# Altium PCB PPG_board.PcbDoc (continued)
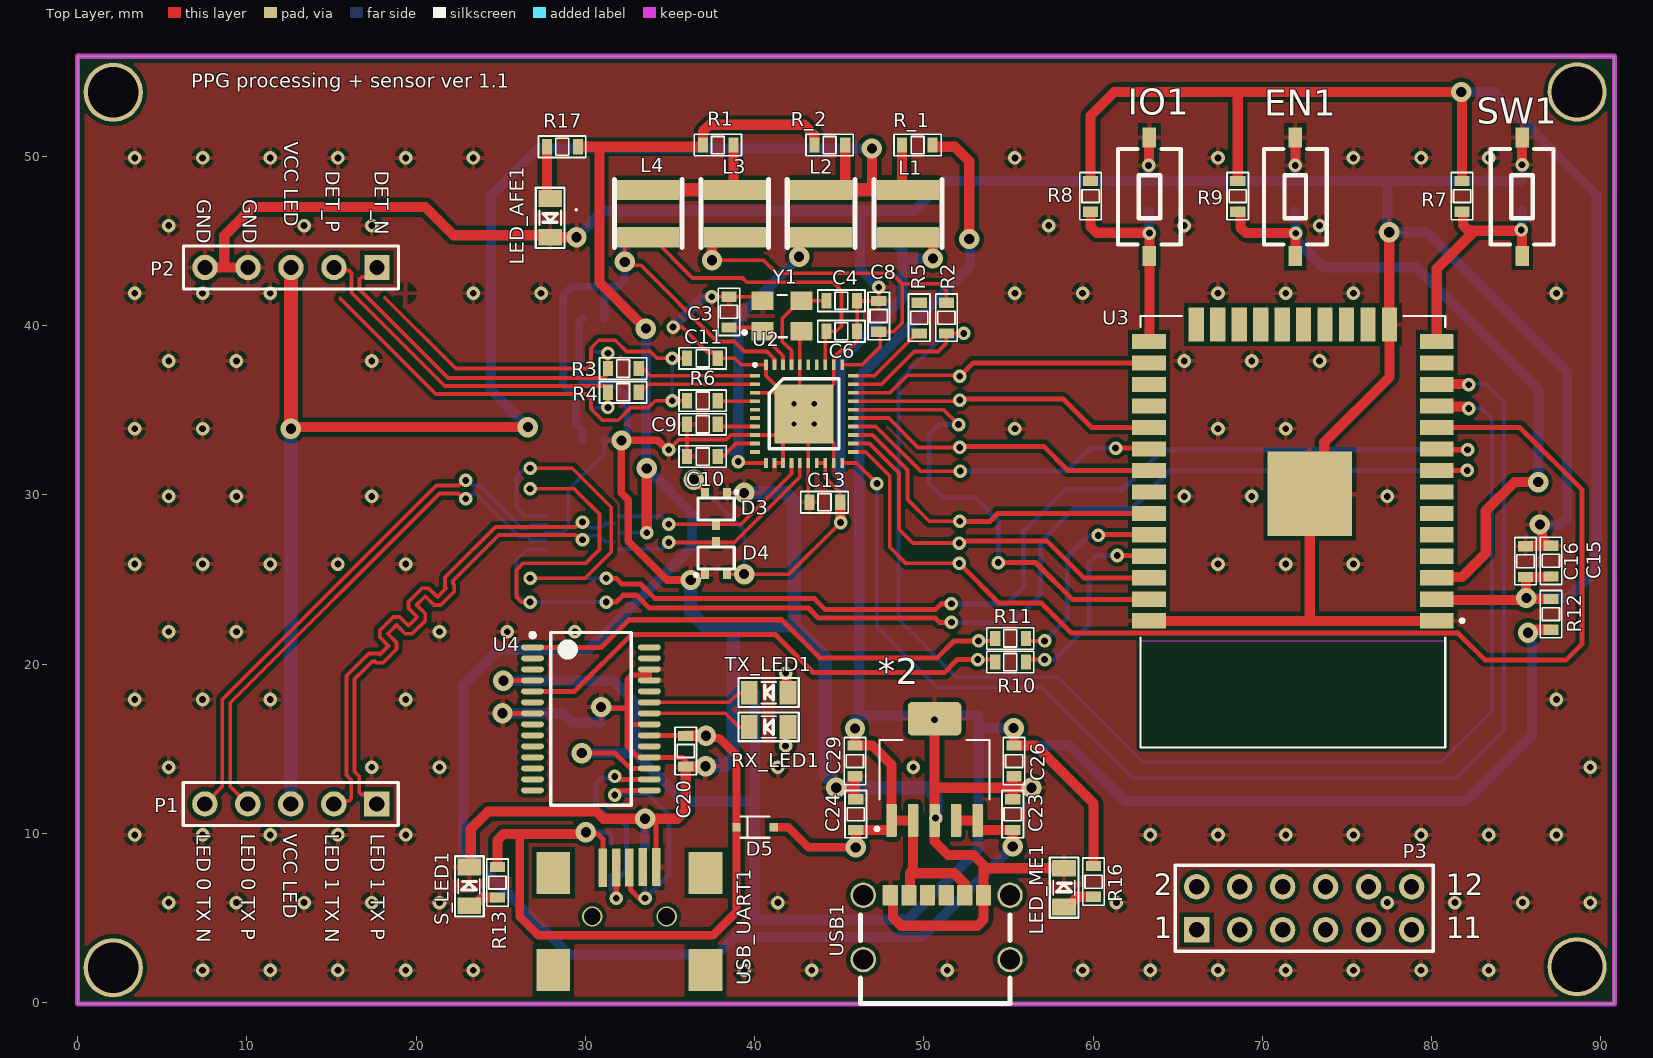
[diagram p0: Top Layer view]
## Part data
*2 *3: library part TPS7A4501
C1 C2 C3 C4 C5 C6 C7 C8 C9 C10 C11 C12 C13 C14 C15 C16 C17 C18 C19 C20 C21 C22 C23 C24 C25 C26 C27 C28 C29: "Capacitor", LatestRevisionDate=17-Jul-2002, LatestRevisionNote="Re-released for DXP Platform.", PackageDescription="Radial Cap, Thru-Hole; 2 Leads; 0.3 in Pin Spacing", PackageReference=RAD-0.3, Published=8-Jun-2000, Publisher="Altium Limited"
D5: library part "D Schottky", "Schottky Diode", Code_JEDEC=DO-214-AA, LatestRevisionDate=17-Jul-2002, LatestRevisionNote="Re-released for DXP Platform.", PackageDescription="DO-214-AA/SMB; 2 C-Bend Leads; Body 5.3 x 3.6 mm, inc. leads (LxW)", PackageReference=SMB, Published=8-Jun-2000, Publisher="Altium Limited"
EN1 IO1 SW1: library part SW-PB, "Switch", LatestRevisionDate=17-Jul-2002, LatestRevisionNote="Re-released for DXP Platform.", PackageDescription="Switch; 2 Leads", PackageReference=SPST-2, Published=24-Mar-1999, Publisher="Altium Limited"
L1 L2 L3 L4: library part Inductor, "Inductor", Code_IEC=1005, Code_JEITA=0402, LatestRevisionDate=29-May-2009, LatestRevisionNote="IPC-7351 Footprint Added.", PackageDescription="Chip Inductor", PackageReference=0402-A, Published=8-Jun-2000, Publisher="Altium Limited"
LED_AFE1 LED_ME1 RX_LED1 S_LED1 TX_LED1: library part "LED SMD"
P1 P2: "Header, 5-Pin", LatestRevisionDate=17-Jul-2002, LatestRevisionNote="Re-released for DXP Platform.", Publisher="Altium Limited"
P3: "Header, 6-Pin, Dual row", LatestRevisionDate=17-Jul-2002, LatestRevisionNote="Re-released for DXP Platform.", Publisher="Altium Limited"
R1 R2 R3 R4 R5 R6 R7 R8 R9 R10 R11 R12 R13 R14 R15 R16 R17 R_1 R_2: "Resistor", LatestRevisionDate=17-Jul-2002, LatestRevisionNote="Re-released for DXP Platform.", PackageDescription="Axial Device, Thru-Hole; 2 Leads; 0.3 in Pin Spacing", PackageReference=AXIAL-0.3, Published=8-Jun-2000, Publisher="Altium Limited"
U3: "Bluetooth, WiFi 802.11b/g/n, Bluetooth v4.2 + EDR, Class 1, 2 and 3 Transceiver Module 2.4GHz ~ 2.5GHz Integrated, Chip Surface Mount", Package="Module Espressif Systems", Availability=Unavailable, MF="Espressif Systems", MP="ESP32-WROOM-32 _8MB_", Price=None, SnapEDA_Link=https://www.snapeda.com/parts/ESP32-WROOM-32%20%288MB%29/Espressif%20Systems/view-part/4301170/?ref=snap
U4: "USB TO UART INTERFACE", MANUFACTURER="FTDI, Future Technology Devices International Ltd", Manufacturer Part Number="FT232RL R", Package / Case=28-SSOP, Supplier Part Number=768-1007-2-ND, Voltage="3.3 V ~ 5.25 V", Category="Integrated Circuits (ICs)", Features="Serial Interface", FIFO's="256 Byte", Number of Channels=8, Packaging="Tape & Reel (TR)", RoHS="RoHS Compliant", Supplier=Digi-Key, Supplier 1=Digi-Key, Supplier Part Number 1=768-1007-2-ND
USB1: library part USB-typeC
USB_UART1: library part USB_M
Y1: "8MHz Â±20ppm Crystal 12pF 400 Ohms 4-SMD, No Lead", Package="SMD-4 ECS International", Availability=Warning, BuyPart=https://www.snapeda.com/parts/ECS-80-12-33-JGN-TR/ECS%20Inc./view-part/4477300/?ref=eda, MF="ECS Inc.", Mouser-Purchase-URL=https://snapeda.com/shop?store=Mouser&id=4477300, MP=ECS-80-12-33-JGN-TR, Price=None, SnapEDA_Link=https://www.snapeda.com/parts/ECS-80-12-33-JGN-TR/ECS%20Inc./view-part/4477300/?ref=snap

## Free pads (board coordinates)
  round 3.5 hole 3 mask+0.07: 2(2.1,2.05) 2(2.1,53.786) 2(88.6,2.114) 2(88.6,53.8)

## Via types
v1: diameter 0.8, hole 0.4, Top Layer to Bottom Layer, 168 vias
v2: diameter 1.2, hole 0.6, Top Layer to Bottom Layer, 35 vias
v3: diameter 0.6, hole 0.3, Top Layer to Bottom Layer, 4 vias
v4: diameter 1.2, hole 1, Top Layer to Bottom Layer, 2 vias
v5: diameter 1.2, hole 0.6, Top Layer to Bottom Layer, tented top, 1 vias

## Nets (pads, with @x,y where several pads share a name; then routed paths per layer and width w, separated by ;. In a path a pad name is that pad's centre, name@x,y a point inside that pad or via, vN(x,y) a via of type N, cw(c..) or ccw(c..) an arc to the next point about the centre after c; other vN are vias at no path point)
3.3V_AFE: *2.4 *2.5 C22.2 C23.2 R1.1 R17.2 R_2.1 U1.8 | length 117.3
  Top Layer w0.6: R17.2 30.83,50.564 ; v2(33.573,39.822) 30.83,42.564 30.83,50.564 ; v1(33.63,27.764) v2(33.63,31.564) ; R_2.1 43.541,51.253 42.93,51.864 37.33,51.864 36.941,51.475 R1.1 36.941,50.564 30.83,50.564 ; *2.4 *2.5 53.17,10.21 53.18,10.2 C23.2 v2(55.249,9.221)
  Bottom Layer w0.22: U1.8 v1(33.63,27.764)
  Bottom Layer w0.6: v2(33.573,39.822) 33.573,31.622 v2(33.63,31.564) 36.305,28.889 36.305,26.939 30.205,20.839 24.88,20.839 22.78,18.739 22.78,9.089 29.03,2.839 37.805,2.839 38.83,3.864 49.892,3.864 v2(55.249,9.221) C22.2
3.3V_ME: *3.4 *3.5 C21.2 C26.2 C27.2 R12.2 R14.2 R15.2 R16.2 U4.4 U4.17 | length 121.3
  Top Layer w0.3: v2(25.155,19.014) 25.171,19.03 26.871,19.03 U4.4 ; v2(29.782,14.738) 31.757,14.738 32.655,13.839 U4.17
  Top Layer w0.6: v2(55.305,16.215) 55.318,16.202 55.318,15.191 C26.2 56.604,15.191 60.03,11.765 R16.2 ; v2(85.7,21.85) 85.862,21.85 86.036,22.023 R12.2
  Bottom Layer w0.6: v2(25.155,19.014) 31.655,19.014 32.957,17.713 32.957,14.738 ; v2(29.782,14.738) C21.2 32.957,14.738 ; 40.028,11.864 35.83,11.864 32.957,14.738 ; R15.2 40.028,12.539 40.03,12.539 40.03,4.889 49.055,4.889 53.23,9.064 *3.5@53.23,16.364 ; R15.2@40.028,16.555 R14.2 ; *3.4 *3.5 *3.5@53.23,16.364 ; v2(85.7,21.85) 85.815,21.735 85.815,21.314 85.93,21.199 85.93,15.83 82,11.9 61.9,11.9 58.609,15.191 C27.2 55.331,16.189 v2(55.305,16.215) 53.38,16.215 *3.5@53.23,16.364
5V_USB: *1.4 C19.2 C20.1 D5.1 R13.2 U4.20 USB_UART1.1 | length 46.5
  Top Layer w0.3: v2@30.23,9.964 30.73,9.964 31.03,9.664 USB_UART1.1 ; U4.20 33.79,15.78 35.704,15.78 C20.1@35.73,15.753
  Top Layer w0.5: 26.13,9.964 26.13,5.064 27.23,3.964 37.53,3.964 38.93,5.364 D5.1 38.93,14.614 37.914,15.63 37.264,15.63 v2(37.13,15.764)
  Top Layer w0.6: R13.2 24.804,9.588 25.18,9.964 26.13,9.964 v2@30.23,9.964 ; C20.1 35.941,15.764 v2(37.13,15.764)
  Bottom Layer w0.3: v2(30.03,10.064) 31.33,10.064 31.53,9.864 *1.4
  Bottom Layer w0.6: C19.2 35.957,15.764 v2(37.13,15.764)
ADC_RDY: U2.28 U3.26 | length 18.3
  Top Layer w0.22: U2.28 47.999,36.033 49.03,37.064 52.061,37.064 v1(52.125,37)
  Top Layer w0.3: v1(52.125,37) 52.925,37.8 63.3,37.8 U3.26
ADC_RESET: R2.2 U2.29 U3.11 | length 87.7
  Top Layer w0.22: U2.29 47.499,36.533 49.43,38.464 50.83,38.464 51.331,38.965 R2.2 v1(52.357,39.538)
  Top Layer w0.6: U3.11 80.35,35.209 82.037,35.209 82.146,35.1 v1(82.2,35.1)
  Bottom Layer w0.22: v1(52.357,39.538) 52.2,39.538 52.013,39.351 51.139,39.351 48.5,36.712 48.5,22.65 51.936,19.214 57.936,19.214 62.95,14.2 80.55,14.2 83.44,17.09 ; v1(82.2,35.1) 82.95,35.1 83.55,34.5 83.55,17.177
AFE_CLKOUT: R5.1
AFE_PDN: U2.20 U3.12 | length 76.8
  Top Layer w0.22: U2.20 46.011,31.883 v1(47.23,30.664)
  Top Layer w0.6: U3.12 80.325,36.544 v1@82.2,36.544
  Bottom Layer w0.22: v1(47.23,30.664) 47.23,22.164 50.78,18.614 56.986,18.614 62.35,13.25 81.45,13.25 84.28,16.08 84.28,35.47 83.186,36.564 82.264,36.564 v1(82.2,36.5)
D+: *1.2 U4.15 USB_UART1.3 | length 15
  Top Layer w0.3: v1(31.73,12.264) 31.766,12.264 32.041,12.539 U4.15 ; USB_UART1.3 32.676,7.919 32.676,6.649 33.16,6.164 v1(33.53,6.164)
  Bottom Layer w0.3: v1@31.93,12.364 33.655,12.364 34.93,11.089 34.93,7.564 v1(33.53,6.164) *1.2
D-: *1.3 U4.16 USB_UART1.2 | length 14.2
  Top Layer w0.3: v1@31.63,13.564 31.73,13.464 v1(31.73,13.364) 31.905,13.189 U4.16 ; USB_UART1.2 31.83,7.964 31.824,7.958 31.824,6.171 v1(31.83,6.164)
  Bottom Layer w0.3: v1(31.73,13.364) 31.635,13.269 30.935,13.269 30.63,12.964 30.63,11.664 31.33,10.964 31.93,10.964 32.43,10.464 32.43,7.79 32.155,7.514 *1.3 31.53,6.69 31.83,6.39 v1(31.83,6.164)
DET_N: D2.3 P2.1 R3.1 | length 21
  Top Layer w0.22: P2.1 17.128,42.875 16.782,42.875 16.653,42.746 16.653,42.137 21.888,36.901 31.067,36.901 31.341,37.175 R3.1 31.33,37.475 v1(31.33,38.364)
  Bottom Layer w0.22: D2.3 30.555,38.439 31.255,38.439 v1(31.33,38.364)
DET_P: D1.3 P2.2 R4.1 | length 22.1
  Top Layer w0.22: P2.2 15.329,43.25 16.05,43.25 16.179,43.121 16.179,41.941 21.692,36.427 31.128,36.427 31.341,36.214 R4.1 31.311,36.034 31.311,35.045 31.33,35.064 v1(31.33,35.164)
  Bottom Layer w0.22: D1.3 30.505,35.139 31.305,35.139 v1(31.33,35.164)
DIAG_END: U2.21 U3.10 | length 70.2
  Top Layer w0.22: U2.21 46.561,32.533 47.98,31.114 47.98,26.914 48.945,25.95 v1(52.086,25.95)
  Top Layer w0.3: v1(52.086,25.95) 54.436,23.6 56.95,23.6 58.723,21.827 81.567,21.827 83.145,20.25 87.95,20.25 88.9,21.2 88.9,30.3 85.216,33.984 U3.10
GND_BOARD: *1.1 *2.3 *2.6 *3.3 *3.6 C1.2 C2.1 C3.1 C4.2 C5.2 C6.2 C7.1 C8.1 C9.2 C10.2 C11.1 C12.1 C13.1 C14.2 C15.1 C16.1 C17.2 C18.1 C19.1 C20.2 C21.1 C22.1 C23.1 C24.1 C25.1 C26.1 C27.1 C28.1 C29.1 D1.1 D2.1 D3.1 D4.1 EN1.1 IO1.1 LED_AFE1.2 LED_ME1.2 P2.4 P2.5 S_LED1.2 SW1.1 U1.3 U2.3 U2.8 U2.12 U2.13 U2.16 U2.19 U2.32 U2.36 U2.40 U2.41 U3.1 U3.15 U3.38 U3.39 U4.7 U4.18 U4.21 U4.25 U4.26 USB1.1 USB1.6 USB_UART1.5 Y1.2 Y1.4 | length 388.9
  Top Layer w0.22: v1(34.93,32.664) 35.53,33.264 36.004,33.264 ; v1(35.18,39.914) 35.73,39.914 37.23,38.414 37.48,38.414 ; 36.004,32.764 36.004,33.264 ; C9.2 36.004,33.264 ; v2(36.23,24.964) 36.58,25.314 D4.1 ; v1(37.469,41.704) C3.1 39.882,41.704 Y1.4@40.106,41.479 ; C11.1 38.83,38.064 39.211,37.683 U2.40 40.674,37.033 U2.41@41.674,36.033 ; D3.1 v2(39.38,30.114) ; U2.3 U2.41@41.674,36.033 ; U2.12 U2.13 U2.41@41.674,33.533 ; Y1.2 42.674,39.558 U2.36 U2.41@42.674,35.033 ; C13.1 43.174,29.631 U2.16 U2.41@43.174,34.533 ; U2.19 44.674,33.033 U2.41@43.174,34.533 ; C8.1@47.33,41.353 C8.1@47.43,41.353 ; v1(47.33,42.264) C8.1 46.068,41.453 C4.2 C6.2 46.057,39.091 45.53,38.564 45.13,38.564 44.674,38.108 U2.32 44.674,36.533 U2.41 ; 36.004,33.264 38.33,33.264 38.599,33.533 U2.8 U2.41@41.674,33.533 ; U2.41@41.674,33.533 v3(42.324,34.183) U2.41 ; U2.41@41.674,36.033 U2.41@42.674,35.033 ; U2.41@42.674,35.033 U2.41 ; U2.41 U2.41@43.174,34.533
  Top Layer w0.3: v2(25.105,17.089) U4.7 ; v2@30.855,17.389 30.758,17.292 31.103,17.292 31.005,17.389 32.455,17.389 ; U4.21 32.455,16.439 ; U4.25 33.78,19.364 ; U4.26 33.78,19.364 ; USB_UART1.5 34.18,10.715 ; C20.2 35.93,14.264 35.705,14.489 U4.18 33.105,14.489 32.455,15.139 32.455,16.439 ; 32.455,16.439 32.455,17.389 ; 32.455,17.389 32.455,19.089 32.73,19.364 33.78,19.364
  Top Layer w0.45: v1(34.93,32.664) 34.836,32.664 34.286,33.214 32.33,33.214 32.23,33.314 v2(32.13,33.214) 32.13,30.114 32.53,29.714 32.53,27.264 34.83,24.964 v2(36.23,24.964)
  Top Layer w0.6: P2.5 8.662,43.433 ; P2.4 8.662,43.433 ; S_LED1.2@23.23,8.007 23.23,10.264 24.255,11.289 30.655,11.289 31.08,10.864 v2(33.53,10.864) ; v2(29.473,45.221) LED_AFE1.2 27.811,45.341 22.209,45.341 20.55,47 10.35,47 8.662,45.312 8.662,43.433 ; v2@34.03,10.864 35.43,10.864 35.93,11.365 C20.2 37.079,13.938 v2(37.105,13.964) ; v2(44.824,12.696) 45.93,12.696 ; C29.1 45.93,12.696 ; C24.1 45.93,12.016 45.93,12.696 ; USB1.1 48.171,6.189 48.171,5.024 48.655,4.539 53.17,4.539 53.521,4.891 USB1.6 53.521,7.814 ; 50.63,12.914 v1(50.63,16.715) *2.6 ; C23.1 55.248,12.696 ; C26.1 55.248,13.375 55.248,12.696 ; v2(56.362,12.696) 55.248,12.696 ; LED_ME1.2 53.642,7.936 53.521,7.814 ; v1(63.281,49.465) 63.305,49.489 63.305,51.089 IO1.1 ; U3.38 72.83,22.554 ; v1(71.95,49.462) EN1.1 ; U3.15@77.496,40.239 v5(77.496,45.516) ; U3.15 77.52,36.964 73.659,33.103 73.659,30.908 U3.39 72.805,22.579 72.83,22.554 ; U3.1 72.83,22.554 ; v1(85.35,49.5) SW1.1 ; C16.1@85.899,26.989 C15.1 ; v2(86.4,28.25) 86.515,28.135 86.515,27.374 C15.1@86.9,26.989 ; 53.521,7.814 53.521,8.124 52.93,8.714 51.43,8.714 50.63,9.514 *2.3 50.63,12.696 55.248,12.696
  Bottom Layer w0.22: U1.3 28.68,27.764 28.98,28.064 28.98,30.264 31.13,32.414 D1.1 ; v1(34.93,32.664) C12.1
  Bottom Layer w0.45: D2.1 29.63,40.214 29.63,36.916 29.882,36.664 31.58,36.664 32.48,35.764 v2@32.48,33.616 ; D1.1 31.18,33.264 v2@32.129,33.264
  Bottom Layer w0.6: v2(25.105,17.089) 28.655,17.089 29.191,16.553 C21.1 v2(30.93,17.464) ; v2(29.473,45.221) 31.004,46.752 C7.1 32.48,46.752 32.518,46.79 C5.2 46.23,46.79 ; *1.1 v2(33.53,10.864) ; v1(35.18,39.914) 36.931,41.665 37.431,41.665 v1(37.469,41.704) ; C19.1 35.941,13.964 v2(37.105,13.964) ; C28.1 45.93,12.684 45.93,11.993 C25.1 ; v1(47.33,42.264) 46.23,43.364 46.23,46.79 ; C22.1 55.248,12.684 ; C27.1 55.248,13.375 55.248,12.684 ; v2(56.362,12.696) 56.35,12.684 55.248,12.684 ; v1(63.281,49.465) C17.2@63.281,48.55 ; C18.1@71.95,48.548 v1(71.95,49.462) ; C14.2@85.323,48.577 85.024,48.577 84.997,48.55 77.049,48.55 ; C14.2@85.35,48.586 v1(85.35,49.5) ; v2(86.4,28.25) 87.6,28.25 88,28.65 88,37.25 79.734,45.516 v5(77.496,45.516) 77.4,45.612 77.4,48.199 77.049,48.55 ; 46.23,46.79 C1.2 49.44,46.79 51.2,48.55 62.946,48.55 62.955,48.541 C17.2 C17.2@63.281,48.55 ; C17.2@63.281,48.55 66.681,48.55 77.049,48.55
  Bottom Layer w0.8: v2(36.23,24.964) 36.23,23.064 37.03,22.264 38.73,22.264 ; v2(37.105,13.964) 37.137,13.996 38.262,13.996 38.73,14.464 38.73,22.264 ; v2(39.38,30.114) 41.83,30.114 42.33,29.614 42.33,22.264 ; *3.6 50.69,12.216 50.222,12.684 45.93,12.684 44.835,12.684 v2(44.824,12.696) 44.824,12.804 44.18,13.448 44.18,20.414 42.33,22.264 ; 38.73,22.264 42.33,22.264
  other v1: 7.38,1.907 11.38,1.907 15.38,1.907 19.38,1.907 23.38,1.907 39.38,1.907 43.38,1.907 51.38,1.907 59.38,1.907 63.38,1.907 67.38,1.907 71.38,1.907 75.38,1.907 79.38,1.907 83.38,1.907 5.38,5.907 9.38,5.907 13.38,5.907 17.38,5.907 21.38,5.907 41.38,5.907 61.38,5.907 77.38,5.907 81.38,5.907 85.38,5.907 89.38,5.907 3.38,9.907 7.38,9.907 11.38,9.907 15.38,9.907 19.38,9.907 63.38,9.907 67.38,9.907 71.38,9.907 75.38,9.907 79.38,9.907 83.38,9.907 87.38,9.907 50.69,10.9 5.38,13.907 17.38,13.907 21.38,13.907 41.38,13.907 49.38,13.907 89.38,13.907 3.38,17.907 7.38,17.907 11.38,17.907 19.38,17.907 87.38,17.907 5.38,21.907 9.38,21.907 21.38,21.907 25.38,21.907 29.38,21.907 3.38,25.907 7.38,25.907 11.38,25.907 15.38,25.907 19.38,25.907 67.38,25.907 71.38,25.907 75.38,25.907 5.38,29.907 9.38,29.907 17.38,29.907 65.38,29.907 69.38,29.907 77.38,29.907 3.38,33.907 7.38,33.907 55.38,33.907 67.38,33.907 71.38,33.907 5.38,37.907 9.38,37.907 17.38,37.907 65.38,37.907 69.38,37.907 73.38,37.907 3.38,41.907 7.38,41.907 11.38,41.907 23.38,41.907 27.38,41.907 55.38,41.907 59.38,41.907 67.38,41.907 71.38,41.907 75.38,41.907 87.38,41.907 5.38,45.907 13.38,45.907 17.38,45.907 57.38,45.907 65.38,45.907 73.38,45.907 3.38,49.907 7.38,49.907 11.38,49.907 15.38,49.907 19.38,49.907 23.38,49.907 55.38,49.907 67.38,49.907 75.38,49.907 79.38,49.907 83.38,49.907
  other v3: 43.524,34.183 42.324,35.383 43.524,35.383
IN1_CTRL: U1.1 U3.8 | length 83.3
  Top Layer w0.22: v1(26.73,23.664) 26.23,23.664 25.93,23.964 25.93,25.564 26.33,25.964 30.03,25.964 30.83,26.764 30.83,28.864 29.33,30.364 v1(26.73,30.364)
  Top Layer w0.3: v1(31.23,23.664) 31.831,23.664 32.231,24.064 33.03,24.064 33.78,23.314 43.18,23.314 43.78,22.714 50.68,22.714 50.93,22.464 v1(51.63,22.464) ; U3.8 v1(82.11,31.444)
  Bottom Layer w0.22: U1.1@27.641,26.73 U1.1 26.53,26.764 25.93,26.164 25.93,24.164 26.43,23.664 v1(26.73,23.664) v1(31.23,23.664)
  Bottom Layer w0.3: v1(51.63,22.464) 55.264,22.464 56.9,24.1 56.9,27.2 58.9,29.2 62.3,29.2 64.544,31.444 v1(82.11,31.444)
IN2_CTRL: U1.5 U3.9 | length 82.5
  Top Layer w0.22: v1(26.73,25.064) 29.98,25.064 31.53,26.614 31.53,29.264 29.23,31.564 v1(26.73,31.564)
  Top Layer w0.3: v1(31.23,25.064) 31.83,25.064 32.157,24.737 33.257,24.737 34.13,23.864 43.53,23.864 44.18,23.214 50.68,23.214 51.03,23.564 v1(51.63,23.564) ; U3.9@80.355,32.664 v1(82.13,32.664)
  Top Layer w0.6: U3.9 U3.9@80.355,32.664
  Bottom Layer w0.22: v1(26.73,25.064) 27.641,25.064 v1(31.23,25.064) ; v1(26.73,31.564) 26.43,31.564 25.93,31.064 25.93,29.264 26.43,28.764 U1.5 27.701,28.764 U1.5@27.741,28.804
  Bottom Layer w0.3: v1(51.63,23.564) 54.914,23.564 55.9,24.55 55.9,27.85 58.35,30.3 61.75,30.3 64.114,32.664 67.3,32.664 v1(82.13,32.664)
LED_ALM: U2.22 U3.36 | length 22.8
  Top Layer w0.22: U2.22 46.791,33.033 48.53,31.294 48.53,27.964 49.345,27.15 v1(52.086,27.15)
  Top Layer w0.3: v1(52.086,27.15) 52.182,27.246 52.493,27.246 52.512,27.265 57.285,27.265 59.456,25.094 U3.36
LED_DRV_SUP: C1.1 C13.2 D3.2 D4.2 L1.2 U2.17 U2.18 | length 44.1
  Top Layer w0.22: v2(36.405,30.889) 36.405,31.114 36.08,31.114 D3.2 ; D4.2 v2(39.38,25.314) 42.03,25.314 45.057,28.341 v1@45.057,28.388 ; U2.17 U2.18 44.174,31.02 45.03,30.164 45.03,29.918 C13.2@44.867,29.755
  Top Layer w0.6: C13.2 45.057,28.388 v1(45.08,28.364) ; L1.2 50.379,45.216 50.53,45.064 v2(50.53,43.964)
  Bottom Layer w0.22: v2(36.405,30.889) 39.38,27.914 v2(39.38,25.314)
  Bottom Layer w0.6: v1(45.08,28.364) 45.08,37.964 48.726,41.61 48.726,43.969 ; C1.1 48.221,44.974 48.726,44.469 48.726,43.969 ; v2(50.53,43.964) 48.73,43.964 48.726,43.969
LED_PORT_N: D3.3 U1.6 U2.14 | length 12.3
  Top Layer w0.22: v1(34.93,28.264) 39.198,28.264 42.174,31.24 U2.14
  Bottom Layer w0.22: U1.6 32.025,28.724 34.47,28.724 v1(34.93,28.264)
LED_PORT_P: D4.3 U1.10 U2.15 | length 13.2
  Top Layer w0.22: v1(34.93,27.187) 38.792,27.187 42.674,31.07 U2.15
  Bottom Layer w0.22: U1.10 32.025,26.804 34.547,26.804 34.63,26.887 v1@34.63,27.187
MTCK: U3.16
MTDI: C14.1 R7.2 SW1.2 U3.14 | length 14.9
  Top Layer w0.6: U3.14 80.305,43.355 82.376,45.426 82.55,45.6 ; R7.2@81.851,46.723 81.851,45.951 82.203,45.6 82.55,45.6 ; SW1.2@85.25,44.4 85.35,44.3 SW1.2 85.35,44.4 85.35,45.546 85.3,45.596 v1(85.3,45.65) 85.262,45.612 85.12,45.612 85.109,45.6 82.55,45.6
  Bottom Layer w0.6: v1(85.3,45.65) 85.3,45.704 85.35,45.754 C14.1
MTDO: U3.23 | length 0.1
  Top Layer w0.6: U3.23@67.304,40.121 U3.23
MTMS: U3.13
NetC3_2: C3.2 U2.38 Y1.1 | length 4.2
  Top Layer w0.22: C3.2 39.898,39.888 Y1.1@40.106,39.679 ; Y1.1 40.58,39.664 41.02,39.224 41.02,38.865 41.674,38.211 U2.38
NetC4_1: C4.1 U2.37 Y1.3 | length 6
  Top Layer w0.22: U2.37 42.174,38.52 41.63,39.064 41.63,40.414 42.68,41.464 Y1.3 C4.1
NetC9_1: C9.1 U2.7 | length 2.3
  Top Layer w0.22: C9.1 37.951,34.033 U2.7
NetC10_1: C10.1 U2.9 | length 2.5
  Top Layer w0.22: C10.1 38.13,32.264 38.899,33.033 U2.9
NetC18_2: C18.2 EN1.2 R9.2 U3.3 | length 40.7
  Top Layer w0.6: R9.2 68.7,46.723 68.7,45.814 69.052,45.462 v1(71.975,45.462) ; EN1.2 v1@71.95,45.437 ; U3.3 80.347,25.136 81.786,25.136 83.2,26.55 83.2,29.05 84.9,30.75 v2(86.3,30.75)
  Bottom Layer w0.6: v1@71.95,45.487 C18.2 ; v1(71.975,45.462) 72.013,45.424 72.013,45.037 73.6,43.45 79.1,43.45 86.3,36.25 v2(86.3,30.75)
NetL3_1: L3.1 L4.1 R1.2 | length 7.8
  Top Layer w0.6: R1.2 38.757,48.089 L3.1
  Top Layer w0.8: L4.1 L3.1
NetLED_AFE1_1: LED_AFE1.1 R17.1 | length 3.1
  Top Layer w0.6: R17.1 27.741,47.697 LED_AFE1.1
NetLED_ME1_1: LED_ME1.1 R16.1 | length 2
  Top Layer w0.6: LED_ME1.1 58.479,5.65 59.079,6.25 R16.1
NetR3_2: R3.2 U2.1 | length 7.3
  Top Layer w0.22: R3.2@33.157,37.365 33.157,37.215 33.407,37.464 33.838,37.033 U2.1
NetR4_2: R4.2 U2.2 | length 7.1
  Top Layer w0.22: R4.2@33.157,35.965 33.726,36.533 U2.2
NetR5_2: R5.2 U2.30 | length 4.9
  Top Layer w0.22: U2.30 47.076,37.033 49.581,39.538 R5.2
NetR6_1: R6.1 U2.4 | length 2.2
  Top Layer w0.22: R6.1 37.85,35.533 U2.4
NetR13_1: R13.1 S_LED1.1 | length 1.8
  Top Layer w0.6: S_LED1.1@23.23,5.721 23.429,5.721 23.906,6.198 R13.1
NetR14_1: R14.1 TX_LED1.1 | length 2.3
  Top Layer w0.6: v1(41.843,19.451) 41.882,19.413 41.882,18.398 TX_LED1.1
  Bottom Layer w0.6: R14.1 v1(41.843,19.451)
NetR15_1: R15.1 RX_LED1.1 | length 2.3
  Top Layer w0.6: v1(41.83,15.164) 41.83,16.137 RX_LED1.1
  Bottom Layer w0.6: v1(41.83,15.164) 41.843,15.177 R15.1
NetRX_LED1_2: RX_LED1.2 U4.22 | length 6.2
  Top Layer w0.22: U4.22 38.262,17.089 39.074,16.277 RX_LED1.2
NetTX_LED1_2: TX_LED1.2 U4.23 | length 6.1
  Top Layer w0.22: U4.23 38.504,17.739 39.074,18.309 TX_LED1.2
PD_ALM: U2.23 U3.33 | length 20.8
  Top Layer w0.22: U2.23 46.961,33.533 49.03,31.464 49.03,29.72 50.317,28.433 v1(52.125,28.433)
  Top Layer w0.3: v1(52.125,28.433) 53.915,28.433 54.386,28.904 U3.33
RX_ANA_SUP: C6.1 C7.2 D1.2 D2.2 L4.2 U2.33 U2.39 | length 49.4
  Top Layer w0.22: v2@32.33,43.365 32.33,43.565 33.28,43.565 37.78,39.064 38.801,39.064 39.401,38.464 40.739,38.464 41.174,38.029 U2.39 ; v2(32.33,43.765) 32.33,44.916 32.63,45.216 L4.2 33.929,45.216 36.33,42.814 39.28,42.814 39.53,42.564 44.63,42.564 45.13,42.064 45.13,39.964 44.83,39.664 C6.1 44.174,39.597 U2.33
  Bottom Layer w0.45: D1.2 29.82,33.224 29.82,33.824 29.43,34.214 29.43,35.764 28.68,36.514 28.68,41.764 29.205,42.289 31.305,42.289 ; D2.2 31.13,42.114 31.305,42.289 ; v2(32.33,43.765) 32.33,42.714 31.905,42.289 31.305,42.289
  Bottom Layer w0.6: v2(32.33,43.765) C7.2
RX_DIG_SUP: C5.1 C8.2 L3.2 R2.1 U2.31 | length 26.4
  Top Layer w0.22: v2(37.479,43.864) 40.53,43.864 41.294,43.1 48.094,43.1 48.73,42.464 ; U2.31 46.349,37.683 47.431,38.765 C8.2@47.431,39.538 ; C8.2 48.204,39.638 48.73,40.164 48.73,42.464 ; R2.1 51.33,42.064 50.93,42.464 48.73,42.464
  Top Layer w0.6: v2(37.479,43.864) 37.479,44.916 37.779,45.216 L3.2
  Bottom Layer w0.6: C5.1 37.455,44.974 37.455,43.889 v2(37.479,43.864)
RXD: R10.1 U4.5 | length 30
  Top Layer w0.22: v1(53.18,20.264) 54.073,20.264 R10.1
  Top Layer w0.3: U4.5 29.357,18.389 32.707,21.739 41.23,21.739 43.48,19.489 51.205,19.489 51.98,20.264 v1(53.18,20.264)
RXD_ESP: R11.2 U3.34 | length 12.1
  Top Layer w0.22: R11.2 56.186,21.364 v1(57.13,21.364)
  Top Layer w0.3: v1(60.3,27.6) 60.35,27.65 63.29,27.65 U3.34
  Bottom Layer w0.3: v1(57.13,21.364) 58.5,22.734 58.5,26.35 59.724,27.574 60.274,27.574 v1(60.3,27.6)
SCLK_ESP: U2.24 U3.30 | length 19.2
  Top Layer w0.22: U2.24 47.161,34.033 49.795,31.4 v1(52.15,31.4)
  Top Layer w0.3: v1(52.15,31.4) v1@52.214,31.464 ; v1(61.33,32.764) 63.255,32.764 U3.30
  Bottom Layer w0.3: v1(52.15,31.4) 58.45,31.4 59.814,32.764 v1(61.33,32.764)
SPI_MISO_AFE: U2.25 U3.31 | length 19.7
  Top Layer w0.22: U2.25 47.922,34.533 49.656,32.8 v1(52.125,32.8)
  Top Layer w0.3: v1(52.125,32.8) 52.189,32.864 57.086,32.864 58.506,31.444 U3.31@64.178,31.444
SPI_MOSI_AFE: U2.26 U3.37 | length 28.8
  Top Layer w0.22: U2.26 51.167,35.033 v1(52.05,34.15)
  Top Layer w0.3: v1(54.4,26) 54.401,25.999 56.601,25.999 58.776,23.824 59.426,23.824 62.826,23.824 U3.37
  Bottom Layer w0.3: v1(52.05,34.15) 50.9,34.15 50.3,33.55 50.3,30.65 51.1,29.85 53,29.85 54.4,28.45 v1(54.4,26)
SPI_SS_AFE: U2.27 U3.29 | length 18.8
  Top Layer w0.22: U2.27 52.058,35.533 v1(52.125,35.6) ; U3.29@63.195,34.094 U3.29
  Top Layer w0.3: v1(52.125,35.6) 52.19,35.665 58.235,35.665 59.916,33.984 U3.29@62.68,33.984 ; U3.29@62.68,34.094 U3.29@63.195,34.094 ; U3.29@63.195,33.984 U3.29 U3.29@63.7,33.984
SW_BUTTON: C17.1 IO1.2 R8.2 U3.25 | length 12.2
  Top Layer w0.6: R8.2 59.85,45.841 60.202,45.489 v1@63.355,45.489 ; U3.25 63.33,39.089 IO1.2 v1(63.33,45.464)
  Bottom Layer w0.6: C17.1 63.305,46.725 63.305,45.489 v1(63.33,45.464)
TX_CTRL_SUP: C2.2 C12.2 L2.2 U2.11 | length 19.9
  Top Layer w0.22: v1(39.03,31.964) 39.111,31.883 U2.11
  Top Layer w0.6: v2(42.63,44.064) 42.63,44.916 42.93,45.216 L2.2
  Bottom Layer w0.22: C12.2 38.363,32.664 v1@39.03,31.997
  Bottom Layer w0.6: v1(39.03,31.964) 39.03,31.997 39.03,40.464 v2(42.63,44.064) C2.2
TX_LED_0_N: P1.5 U1.4 | length 32.7
  Top Layer w0.22: P1.5 8.549,12.766 8.549,17.912 21.184,30.546 22.512,30.546 22.82,30.854 v1(22.93,30.854)
  Bottom Layer w0.22: v1@22.63,30.854 v1(22.93,30.854) 23.041,30.854 23.349,30.546 23.774,30.546 24.18,30.14 24.18,30.114 26.293,28.001 26.558,28.001 26.781,28.224 27.635,28.224 U1.4
TX_LED_0_P: P1.4 U1.2 | length 32.2
  Top Layer w0.22: P1.4 9.023,12.766 9.023,17.715 21.38,30.072 22.512,30.072 22.82,29.764 v1(22.93,29.764)
  Bottom Layer w0.22: v1@22.93,29.8 22.64,29.8 22.676,29.764 v1(22.93,29.764) 23.041,29.764 23.349,30.072 23.578,30.072 23.706,29.944 23.706,29.918 26.097,27.527 26.558,27.527 26.781,27.304 27.635,27.304 U1.2
TX_LED_1_N: P1.2 U1.7 | length 32.3
  Top Layer w0.22: P1.2 15.319,11.916 16.04,11.916 16.169,12.045 16.169,13.158 15.887,13.44 15.887,19.307 16.715,20.135 17.211,20.631 17.786,20.631 17.857,20.559 18.372,21.074 17.85,21.596 17.85,21.989 18.642,22.781 19.035,22.781 19.557,22.259 20.072,22.774 19.55,23.296 19.55,23.689 20.342,24.481 20.735,24.481 21.257,23.959 21.772,24.474 21.7,24.545 21.7,25.12 22.015,25.435 24.683,28.103 29.412,28.103 29.702,28.393 v1(29.83,28.393)
  Bottom Layer w0.22: v1(29.83,28.393) 29.959,28.393 30.293,28.059 30.925,28.059 31.171,28.304 U1.7@31.69,28.304
TX_LED_1_P: P1.1 U1.9 | length 31.3
  Top Layer w0.22: P1.1 17.118,12.291 16.772,12.291 16.643,12.42 16.643,13.354 16.361,13.636 16.361,19.111 17.05,19.8 17.407,20.157 17.589,20.157 17.661,20.085 18.054,20.085 18.846,20.878 18.846,21.27 18.324,21.792 18.839,22.307 19.361,21.785 19.753,21.785 20.546,22.577 20.546,22.97 20.024,23.492 20.539,24.007 21.061,23.485 21.453,23.485 22.246,24.277 22.246,24.67 22.174,24.742 22.174,24.924 22.35,25.1 24.879,27.629 29.412,27.629 29.702,27.339 v1(29.83,27.339)
  Bottom Layer w0.22: v1(29.83,27.339) 29.987,27.339 30.233,27.585 30.81,27.585 31.171,27.224 U1.9@31.69,27.224
TXD: R11.1 U4.1 | length 29.4
  Top Layer w0.22: v1(53.23,21.364) 54.062,21.364 R11.1
  Top Layer w0.3: U4.1 30.955,20.989 32.584,22.618 41.594,22.618 43.844,20.368 50.784,20.368 51.78,21.364 v1(53.23,21.364)
TXD_ESP: R10.2 U3.35 | length 12
  Top Layer w0.22: R10.2 56.175,20.264 v1(57.13,20.264)
  Top Layer w0.3: v1(61.43,26.414) 63.255,26.414 U3.35
  Bottom Layer w0.3: v1(57.13,20.264) 57.139,20.273 57.723,20.273 59.75,22.3 59.75,25.95 60.214,26.414 v1(61.43,26.414)
V_LED: L1.1 L2.1 P1.3 P2.3 R_1.2 R_2.2 | length 95.7
  Top Layer w0.6: v2(12.6,33.9) 12.606,33.906 12.7,34 v2(26.6,34) ; L2.1@45.33,48.016 45.357,48.043 R_2.2 ; v2(46.93,50.464) 46.93,48.252 47.167,48.016 ; R_1.2 48.704,48.316 49.004,48.016 L1.1
  Top Layer w0.8: v2@12.606,33.906 P2.3 ; L2.1@45.33,48.016 47.167,48.016 L1.1@49.004,48.016
  Bottom Layer w0.6: v2(26.6,34) 24.4,36.2 24.4,37.109 24.43,37.139 24.43,47.689 27.205,50.464 v2(46.93,50.464)
  Bottom Layer w0.8: P1.3 12.6,11.737 v2(12.6,33.9)
VCC_ESP32: C15.2 C16.2 R7.1 R8.1 R9.1 R12.1 U3.2 | length 82.9
  Top Layer w0.6: R8.1 59.85,52.4 61.25,53.8 v2@81.449,53.8 ; R9.1 68.55,53.7 ; U3.2@80.341,23.789 83.95,23.789 ; R7.1 v2@81.8,53.449 ; 84.01,23.789 85.489,23.789 v2(85.6,23.9) 85.577,23.923 C16.2@85.577,25.15 ; C16.2 C16.2@85.577,25.15 ; v2@85.661,23.839 R12.1 ; C15.2@86.9,25.173 86.877,25.15 C16.2@85.577,25.15 ; C15.2 C15.2@87.068,25.173
  Bottom Layer w0.6: v2(81.75,53.8) 83.7,53.8 89.75,47.75 89.75,25.6 88.05,23.9 v2(85.6,23.9)
VCC_External: *2.1 *2.2 *3.1 *3.2 C24.2 C25.2 C28.2 C29.2 D5.2 R_1.1 USB1.2 USB1.5 | length 70.1
  Top Layer w0.5: D5.2 41.98,10.364 43.178,9.167 v2(45.978,9.167)
  Top Layer w0.6: v2(45.93,16.189) C29.2 46.954,15.191 48.09,14.054 *2.1 ; v2(45.978,9.167) C24.2 48.08,10.2 48.09,10.21 *2.1 ; USB1.2 49.175,6.394 49.175,7.639 ; R_1.1 50.619,50.564 51.83,50.564 52.68,49.714 v2(52.68,45.114) ; USB1.5 52.421,7.024 51.805,7.639 49.175,7.639 ; *2.1 *2.2 49.35,10.749 49.35,7.814 49.175,7.639
  Bottom Layer w0.6: C28.2 v2(45.93,16.189) 45.93,16.764 46.13,16.964 46.18,16.964 ; v2(45.978,9.167) C25.2 ; *3.2 *3.1 46.18,16.964 ; v2@52.73,45.114 52.73,43.514 46.18,36.964 46.18,16.964
VCM_SHIELD: C11.2 R6.2 | length 48.1
  Top Layer w0.22: 15.512,41.605 16.612,40.505 21.164,35.953 30.041,35.953 30.33,35.664 30.33,35.084 31.014,34.4 31.94,34.4 32.704,35.164 33.731,35.164 34.13,35.564 v1(35.13,35.564) R6.2 ; 18.15,41.65 22.336,37.464 30.13,37.464 30.33,37.664 30.33,38.664 30.794,39.128 31.766,39.128 32.43,38.464 33.83,38.464 34.23,38.064 v1(35.13,38.064) C11.2
  Bottom Layer w0.22: v1(35.13,35.564) v1(35.13,38.064)
pads on no net: P3.1 P3.2 P3.3 P3.4 P3.5 P3.6 P3.7 P3.8 P3.9 P3.10 P3.11 P3.12 U2.5 U2.6 U2.10 U2.34 U2.35 U3.4 U3.5 U3.6 U3.7 U3.17 U3.18 U3.19 U3.20 U3.21 U3.22 U3.24 U3.27 U3.28 U3.32 U4.2 U4.3 U4.6 U4.8 U4.9 U4.10 U4.11 U4.12 U4.13 U4.14 U4.19 U4.24 U4.27 U4.28 USB1.0 USB1.3 USB1.4 USB_UART1.0 USB_UART1.4
copper on no net: | length 0
  Bottom Layer w0.8: 12.606,43.433 12.621,43.418
  other v4: 30.405,5.08 34.805,5.08

## Polygon pours and split planes (outlines as drawn)
GND_BOARD on Bottom Layer "NONET_L-01_P-001" (solid, pour order 0): 90.8,55.9 90.8,-0.1 0.15,-0.1 0.1,-0.05 0.1,55.9 0.05,55.95
GND_BOARD on Top Layer "NONET_L-01_P-001" (solid, pour order 1): 0.125,-0.125 0.125,55.875 90.775,55.875 90.825,55.825 90.825,-0.125 90.875,-0.175

## Keep-outs
Keep-Out Layer:
  lines w0.3: 0.05,55.95 16.621,55.94 ; 0,-0.084 0,55.914 16.75,55.914 75.92,55.914 90.8,55.914 90.8,-0.084 66.207,-0.084 0,-0.084

## Silkscreen, mask and mechanical layers (free items; w line width, h text height)
Top Overlay:
  lines w0.2: 22.75,7.15 23.55,7.15 ; 23.1,7.05 22.7,6.65 23.55,6.65 23.15,7.05 ; 27.5,46.1 28.3,46.1 ; 27.9,46.2 27.5,46.6 28.35,46.6 27.95,46.2 ; 40.6,15.9 40.6,16.7 ; 40.6,17.95 40.6,18.75 ; 40.7,16.25 41.1,15.85 41.1,16.7 40.7,16.3 ; 40.7,18.3 41.1,17.9 41.1,18.75 40.7,18.35 ; 57.9,7.05 58.7,7.05 ; 58.25,6.95 57.85,6.55 58.7,6.55 58.3,6.95 ; 29.45,46.85 29.45,46.85
  text "PPG processing + sensor ver 1.1" at 6.7,54.05 h0.85
  text "VCC LED" at 12.2,50.85 h0.85 r270
  text "DET_P" at 14.65,49.151 h0.85 r270
  text "DET_N" at 17.55,49.151 h0.85 r270
  text "GND" at 7.05,47.451 h0.85 r270
  text "GND" at 9.75,47.451 h0.85 r270
  text "LED 0 TX N" at 7.031,9.978 h0.85 r270
  text "LED 0 TX P" at 9.664,9.978 h0.85 r270
  text "VCC LED" at 12.15,9.978 h0.85 r270
  text "LED 1 TX N" at 14.631,9.978 h0.85 r270
  text "LED 1 TX P" at 17.331,9.978 h0.85 r270

## Text inside footprints (layer, text, board x,y; h text height)
P3: Top Overlay "12" at 80.852,6.332 h1.27; Top Overlay "1" at 81.868,3.792 h1.27; Top Overlay "1" at 80.852,3.792 h1.27; Top Overlay "1" at 63.58,3.792 h1.27; Top Overlay "2" at 63.58,6.332 h1.27
U3: Mechanical 13 "ANTENNA" at 77.805,18.814 h1.78 r180